# Allegro board LAY-31407_C2.brd (continued)
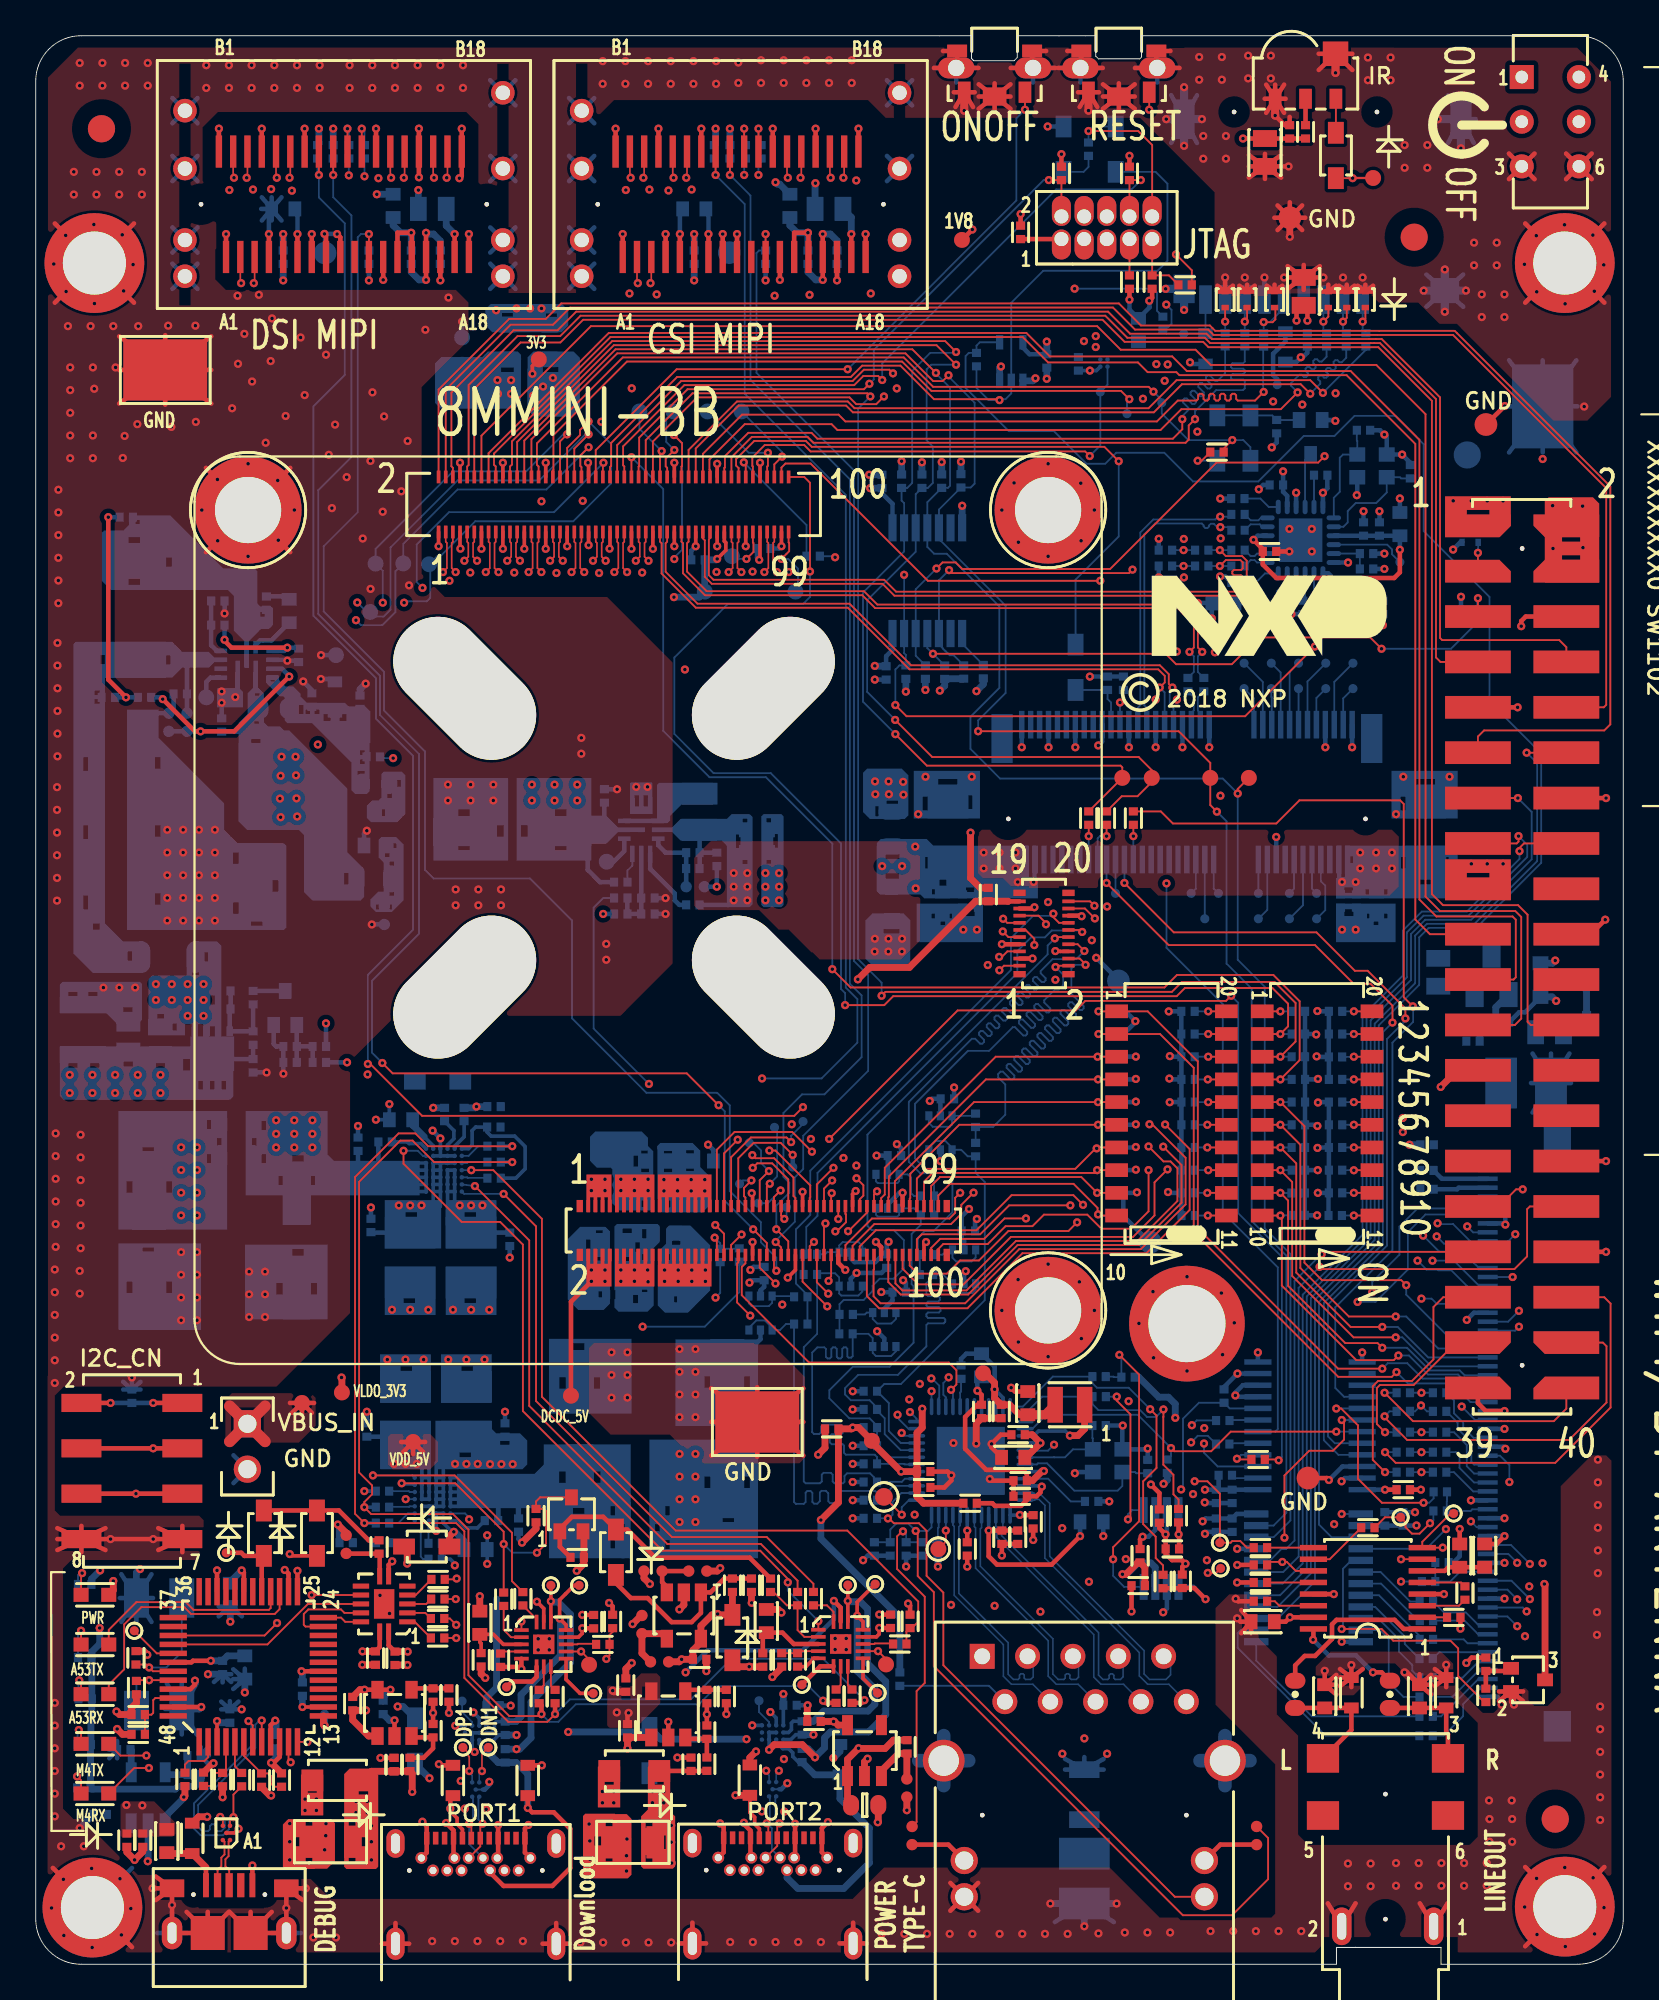
[diagram p0: board, top side]
## Placement (name value [footprint] x y rotation side) (continued)
NOREF  -  []  50.55 -2.68 0 top
NOREF#2  -  []  21.6 5.95 0 top
NOREF#3  -  []  39.74 42.44 0 top
NOREF#4  -  []  -141.97 -219.73 0 top
NOREF#5  -  []  9.15 12.45 90 top
NOREF#6  -  []  42.87 5.27 0 top
NOREF#7  -  []  51.55 106.15 90 top
NOREF#8  -  []  11.31 72.22 90 top
NOREF#9  -  []  64.31 93.78 90 top
NOREF#10  -  []  21.9 7.06 0 top
NOREF#11  -  []  64.44 8.35 90 top
NOREF#12  -  []  9.01 5.1 0 top
NOREF#13  -  []  51.27 104.5 90 top
NOREF#14  -  []  55.1 55.42 90 top
NOREF#15  -  []  50.85 11.4 0 top
NOREF#16  -  []  74.47 64.11 90 top
NOREF#17  -  [unnamed#2]  40.75 54.7 45 top
NOREF#18  -  []  29.88 42.1 0 top
NOREF#19  -  []  58.23 104.5 90 top
NOREF#20  -  []  38.87 5.27 0 top
NOREF#21  -  []  52 104.79 90 top
NOREF#22  -  []  15.49 11.24 0 top
NOREF#23  -  []  42.16 80.17 90 top
NOREF#24  -  []  65.51 93.18 0 top
NOREF#25  -  []  21.23 27.23 0 top
NOREF#26  -  []  9.26 98.52 0 top
NOREF#27  -  []  13.36 71.72 90 top
NOREF#28  -  []  23.22 26.84 90 top
NOREF#29  -  []  26.9 7.06 0 top
NOREF#30  -  []  31.47 98.52 0 top
NOREF#31  -  []  32.87 95.57 0 top
NOREF#32  -  []  81.31 33.97 90 top
NOREF#33  -  []  52 104.79 0 top
NOREF#34  -  []  24.44 10.18 0 top
NOREF#35  -  []  10.69 6.74 90 top
NOREF#36  -  []  58.57 3.35 90 top
NOREF#37  -  []  42.13 80.96 90 top
NOREF#38  -  []  64.31 93.78 0 top
NOREF#39  -  []  38.22 5.97 0 top
NOREF#40  -  []  55.1 59.5 0 top
NOREF#41  -  []  71.55 23.32 0 top
NOREF#42  -  []  32.86 61.95 0 top
NOREF#43  -  []  20.96 27.5 90 top
NOREF#44  -  []  32.38 62.81 0 top
NOREF#45  -  []  10.48 7.75 0 top
NOREF#46  -  []  36.77 1.17 0 top
NOREF#47  -  []  55.1 59.1 90 top
NOREF#48  -  []  23.79 12.3 90 top
NOREF#49  -  []  20.15 1.15 0 top
NOREF#50  -  []  58.55 107.1 0 top
NOREF#51  -  []  29.8 16.56 90 top
NOREF#52  -  []  64.66 93.13 90 top
NOREF#53  -  []  30.57 94.49 0 top
NOREF#54  -  []  64.44 8.35 90 top
NOREF#55  -  []  40.86 10.41 0 top
NOREF#56  -  []  58.08 17.24 0 top
NOREF#57  -  []  79.96 13.67 90 top
NOREF#58  -  []  85.21 13.32 90 top
NOREF#59  -  []  73.47 61.84 90 top
NOREF#60  -  []  15.49 9.34 90 top
NOREF#61  -  []  24.44 13.35 0 top
NOREF#62  -  []  24.26 95.57 90 top
NOREF#63  -  []  0 0.05 0 top
NOREF#64  -  []  8.89 33.6 0 top
NOREF#65  -  []  26.25 5.25 0 top
NOREF#66  -  []  27.2 17.11 0 top
NOREF#67  -  []  64.44 8.35 90 top
NOREF#68  -  []  26.16 94.49 90 top
NOREF#69  -  []  12.83 3.9 90 top
NOREF#70  -  []  7.7 19.4 0 top
NOREF#71  -  []  25.26 98.52 90 top
NOREF#72  -  []  34.41 62.15 90 top
NOREF#73  -  []  23.46 43.25 0 top
NOREF#74  -  []  14.82 82.25 0 top
NOREF#75  -  []  38.52 7.08 0 top
NOREF#76  -  []  8.36 94.49 0 top
NOREF#77  -  []  15.41 13.15 0 top
NOREF#78  -  []  32.12 9.87 90 top
NOREF#79  -  []  10.14 50.8 0 top
NOREF#80  -  []  47.47 98.52 90 top
NOREF#81  -  []  30.47 42.44 0 top
NOREF#82  -  []  24.23 10.39 0 top
NOREF#83  -  [unnamed#3]  77.19 96.67 0 top
NOREF#84  -  []  -360.08 -134.32 0 top
NOREF#85  -  []  58.5 106.15 0 top
NOREF#86  -  []  68.68 41.91 0 top
NOREF#87  -  []  14.16 12.45 0 top
NOREF#88  -  []  64.66 104.39 0 top
NOREF#89  -  []  19.55 -2.65 0 top
NOREF#90  -  []  81.31 14.97 90 top
NOREF#91  -  []  37.55 5.27 90 top
NOREF#92  -  []  54.47 64.11 0 top
NOREF#93  -  []  52 3.78 90 top
NOREF#94  -  []  51.27 104.5 0 top
NOREF#95  -  []  41.27 9.8 90 top
NOREF#96  -  []  65.51 93.18 0 top
NOREF#97  -  []  -97.89 118.8 0 top
NOREF#98  -  []  27.1 16.56 0 top
NOREF#99  -  []  51.55 106.15 90 top
NOREF#100  -  []  46.37 -2.63 90 top
NOREF#101  -  []  20.92 5.25 90 top
NOREF#102  -  []  57.49 60.56 90 top
NOREF#103  -  []  29.7 17.11 90 top
NOREF#104  -  []  60.22 89.23 0 top
NOREF#105  -  []  24.26 95.57 0 top
NOREF#106  -  []  -5.21 -40.53 0 top
NOREF#107  -  [unnamed#2]  24.02 71.42 45 top
NOREF#108  -  []  59.55 106.9 90 top
NOREF#109  -  []  72.35 18.49 0 top
NOREF#110  -  []  51.77 62.61 0 top
NOREF#111  -  []  22.56 80.17 0 top
NOREF#112  -  []  46.33 17.13 90 top
NOREF#113  -  []  51.02 39.7 90 top
NOREF#114  -  []  41.07 13.37 0 top
NOREF#115  -  []  68.68 52.07 90 top
NOREF#116  -  []  67.11 103.68 0 top
NOREF#117  -  []  40.42 13.62 0 top
NOREF#118  -  []  58.5 106.15 90 top
NOREF#119  -  []  64.97 61.84 0 top
NOREF#120  -  []  31.47 98.52 0 top
NOREF#121  -  []  20.96 80.14 0 top
NOREF#122  -  []  49.42 0.3 90 top
NOREF#123  -  []  22.42 13.15 90 top
NOREF#124  -  []  55.1 55.9 90 top
NOREF#125  -  []  24.64 9.78 90 top
NOREF#126  -  []  72.35 18.49 0 top
NOREF#127  -  []  73.47 61.84 90 top
NOREF#128  -  []  46.07 101.47 0 top
NOREF#129  -  []  53.47 61.31 0 top
NOREF#130  -  []  59.62 82.25 0 top
NOREF#131  -  []  55.47 61.84 0 top
NOREF#132  -  []  37.55 5.27 0 top
NOREF#133  -  []  32.96 63 0 top
NOREF#134  -  []  8.24 49.15 0 top
NOREF#135  -  []  20.92 5.25 0 top
NOREF#136  -  []  14.91 -1.07 90 top
NOREF#137  -  []  64.31 103.28 0 top
NOREF#138  -  []  41.07 10.2 0 top
NOREF#139  -  []  58.95 104.79 90 top
NOREF#140  -  []  7.63 4.25 0 top
NOREF#141  -  []  11.54 49.15 90 top
NOREF#142  -  []  51.6 107.1 0 top
NOREF#143  -  []  21.59 42.98 90 top
NOREF#144  -  []  32.8 0.28 90 top
NOREF#145  -  []  59.55 108.2 0 top
NOREF#146  -  []  54.12 68.61 0 top
NOREF#147  -  []  59.62 37.45 0 top
NOREF#148  -  []  58.23 104.5 0 top
NOREF#149  -  []  44.68 16.68 0 top
NOREF#150  -  []  62.51 73.23 0 top
NOREF#151  -  []  59.62 89.43 0 top
NOREF#152  -  []  60.53 41.91 0 top
NOREF#153  -  []  46.47 95.57 0 top
NOREF#154  -  []  52 104.79 90 top
NOREF#155  -  []  76.84 18.49 90 top
NOREF#156  -  []  46.33 17.13 90 top
NOREF#157  -  []  9.53 4.43 0 top
NOREF#158  -  []  33.41 62.15 0 top
NOREF#159  -  []  43.83 17.13 0 top
NOREF#160  -  []  36.77 1.17 90 top
NOREF#161  -  []  64.31 103.28 0 top
NOREF#162  -  []  59.62 89.43 90 top
NOREF#163  -  []  61.02 89.23 90 top
NOREF#164  -  []  9.26 98.52 0 top
NOREF#165  -  []  23.36 80.17 0 top
NOREF#166  -  []  75.47 61.31 90 top
NOREF#167  -  []  37.55 5.27 90 top
NOREF#168  -  []  58.95 104.79 0 top
NOREF#169  -  []  51.55 106.15 0 top
NOREF#170  -  []  83.53 54.69 90 top
NOREF#171  -  []  9.63 1.75 0 top
NOREF#172  -  []  43.76 80.14 90 top
NOREF#173  -  []  29.75 -2.65 90 top
NOREF#174  -  []  30.94 42.44 0 top
NOREF#175  -  []  7.63 1.75 0 top
NOREF#176  -  []  52 3.78 0 top
NOREF#177  -  []  10.68 7.35 90 top
NOREF#178  -  []  11.48 4.43 0 top
NOREF#179  -  []  58.08 17.24 0 top
NOREF#180  -  []  60.53 52.07 90 top
NOREF#181  -  []  55.22 69.39 0 top
NOREF#182  -  []  66.9 -2.68 90 top
NOREF#183  -  []  22.25 5.25 0 top
NOREF#184  -  []  41.17 102.92 0 top
NOREF#185  -  []  8.91 52.22 0 top
NOREF#186  -  []  23.79 13.6 0 top
NOREF#187  -  []  52.6 108.2 0 top
NOREF#188  -  []  48.37 96.52 90 top
NOREF#189  -  []  75.37 54.69 90 top
NOREF#190  -  []  25.26 98.52 90 top
NOREF#191  -  []  21.86 43.25 90 top
NOREF#192  -  []  10.26 73.82 0 top
NOREF#193  -  []  14.03 4.25 90 top
NOREF#194  -  []  40.42 12.32 90 top
NOREF#195  -  []  28.05 16.66 0 top
NOREF#196  -  []  71.55 18.77 90 top
NOREF#197  -  []  13.26 73.02 90 top
NOREF#198  -  []  39.75 27.38 0 top
NOREF#199  -  []  61.85 71.16 0 top
NOREF#200  -  []  71.55 22.67 90 top
NOREF#201  -  []  10.14 50.8 0 top
NOREF#202  -  []  74.47 64.11 90 top
NOREF#203  -  []  81.26 12.97 90 top
NOREF#204  -  []  10.66 95.57 0 top
NOREF#205  -  []  32.12 11.77 0 top
NOREF#206  -  []  53.01 8.35 0 top
NOREF#207  -  [unnamed#2]  40.75 71.42 315 top
NOREF#208  -  []  36.17 -2.63 0 top
NOREF#209  -  []  24.63 9.17 90 top
NOREF#210  -  [unnamed#3]  85.09 8.13 0 top
NOREF#211  -  []  20.92 5.25 90 top
NOREF#212  -  []  46.47 95.57 90 top
NOREF#213  -  []  85.21 13.32 90 top
NOREF#214  -  []  6.76 4.68 0 top
NOREF#215  -  []  -419.2 -314.78 0 top
NOREF#216  -  []  41.26 9.19 90 top
NOREF#217  -  []  32.87 95.57 0 top
NOREF#218  -  []  20.96 30.04 0 top
NOREF#219  -  []  23.86 101.47 0 top
NOREF#220  -  []  31.47 98.52 0 top
NOREF#221  -  [unnamed#3]  3.68 102.74 0 top
NOREF#222  -  []  -390.12 208.2 0 top
NOREF#223  -  []  52 3.78 90 top
NOREF#224  -  []  9.26 98.52 0 top
NOREF#225  -  []  47.47 98.52 90 top
NOREF#226  -  []  61.25 54.69 0 top
NOREF#227  -  []  64.66 93.13 0 top
NOREF#228  -  []  8.28 9.45 0 top
NOREF#229  -  []  65.51 93.18 90 top
NOREF#230  -  []  58.95 104.79 90 top
NOREF#231  -  []  48.37 94.49 90 top
NOREF#232  -  []  52.6 106.9 90 top
NOREF#233  -  []  14.03 1.75 90 top
NOREF#234  -  []  43.73 16.58 0 top
NOREF#235  -  []  26.16 96.52 90 top
NOREF#236  -  []  46.43 16.58 90 top
NOREF#237  -  []  20.15 1.15 90 top
NOREF#238  -  []  10.36 73.52 0 top
NOREF#239  -  []  81.26 12.97 90 top
NOREF#240  -  []  34.96 61.95 90 top
NOREF#241  -  []  21.59 42.98 0 top
NOREF#242  -  []  10.66 95.57 0 top
NOREF#243  -  []  86.16 12.97 90 top
NOREF#244  -  [unnamed#2]  24.02 54.7 315 top
NOREF#245  -  []  29.7 17.11 90 top
NOREF#246  -  []  10.27 7.96 0 top
NOREF#247  -  []  7.7 13.9 90 top
NOREF#248  -  []  29.88 40.05 90 top
NOREF#249  -  []  43.52 7.08 0 top
NOREF#250  -  []  58.5 106.15 90 top
NOREF#251  -  []  69.41 54.69 0 top
NOREF#252  -  []  40.94 27.38 180 bottom
NOREF#253  -  [unnamed#3]  85.09 8.13 180 bottom
NOREF#254  -  []  8.21 22.87 180 bottom
NOREF#255  -  []  55.81 93.46 180 bottom
NOREF#256  -  []  81.97 57.58 90 bottom
NOREF#257  -  []  16.36 85.09 180 bottom
NOREF#258  -  []  43.31 15.88 180 bottom
NOREF#259  -  []  44.87 79.89 180 bottom
NOREF#260  -  [unnamed#3]  80.16 84.48 180 bottom
NOREF#261  -  [unnamed#3]  3.68 102.74 180 bottom
Q101  AON7405  [DFN3P3X3P3_8L_EX]  9.89 50.8 270 bottom
Q102  NX3008NBKW,115  [SC70_3]  13.97 53.53 180 bottom
Q301  NX3008NBKW,115  [SC70_3]  30 25.18 0 top
Q604  NX3008NBKW,115  [SC70_3]  71.39 85.49 0 bottom
Q903  NX3008NBKW,115  [SC70_3]  19.03 63.58 180 bottom
Q1001  SI2343DS  [SOT-23]  81.52 55.38 180 bottom
Q1002  2N7002  [SOT23_A]  85.27 55.09 90 bottom
Q1003  NX3008NBKW,115  [SC70_3]  83.57 15.92 270 top
R101  1.4M  [RC0603_OV]  13.35 70.29 0 bottom
R102  3.3  [0603_CC]  14.19 75.75 90 bottom
R103  0  [RC1206_OV]  7.43 56.38 0 bottom
R105  43K  [RC0402_25]  8.47 69.52 270 bottom
R107  100K  [0402_CC]  10.2 74.96 180 bottom
R108  100K  [0402_CC]  10.2 76.31 0 bottom
R109  5.6K  [RC0402_25]  7.45 69.52 90 bottom
R110  187K  [0402_CC]  36.8 62.22 180 bottom
R111  41.2K  [RC0402_25]  36.93 60.32 0 bottom
R112  100K  [0402_CC]  32.76 60.57 0 bottom
R113  10K  [0402_CC]  32.76 58.79 0 bottom
R114  1K  [0402_CC]  32.76 59.68 0 bottom
R115  100K  [0402_CC]  34.28 58.79 0 bottom
R120  0  [0805_CC]  6.98 51.69 270 bottom
R125  22K  [0402_CC]  10.54 54.48 0 bottom
R129  4.7K  [0402_CC]  12.17 54.11 90 bottom
R131  1K  [0402_CC]  15.88 51.37 180 bottom
R133  100K  [0402_CC]  14.24 50.48 180 bottom
R134  22K  [0402_CC]  15.88 50.48 180 bottom
R135  499K  [0402_CC]  5.07 81 180 bottom
R136  499  [0402_CC]  6.09 70.92 0 bottom
R137  1.5M  [RC0805_OV]  18.94 60.76 0 bottom
R138  1.2M  [RC0603_OV]  19.04 66.08 0 bottom
R139  118K  [RC0402_25]  19.52 58.71 270 bottom
R140  0  [0402_CC]  18.9 67.59 180 bottom
R201  10K  [0402_CC]  48.49 83.01 270 bottom
R202  10K  [0402_CC]  48.73 72.33 90 bottom
R203  10K  [0402_CC]  50.73 83.02 270 bottom
R204  10K  [0402_CC]  50.9 72.32 90 bottom
R205  10K  [0402_CC]  49.62 83.01 270 bottom
R206  10K  [0402_CC]  49.82 72.33 90 bottom
R207  10K  [0402_CC]  51.81 83.04 270 bottom
R208  10K  [0402_CC]  51.96 72.33 90 bottom
R209  10K  [0402_CC]  66.61 27.37 0 bottom
R210  0  [0402_CC]  52.68 89.82 90 bottom
R211  0  [0402_CC]  68.45 28.26 180 top
R212  0  [0402_CC]  66.47 29.12 0 bottom
R213  0  [0402_CC]  66.47 30.43 0 bottom
R214  10K  [0402_CC]  53.06 72.35 90 bottom
R215  100K  [0402_CC]  66.54 31.81 90 bottom
R216  0  [0402_CC]  43.54 78.82 180 bottom
R217  0  [0402_CC]  38.33 39.67 270 bottom
R218  0  [0402_CC]  63.12 91.85 90 bottom
R219  0  [0402_CC]  39.4 39.7 90 bottom
R301  47K  [0402_CC]  20.07 11.18 90 top
R302  0  [0402_CC]  29.08 14.99 90 top
R303  0  [0402_CC]  28.19 14.99 90 top
R304  1.2M  [0402_CC]  23.14 15.07 90 top
R305  0  [0402_CC]  19.42 24.7 0 bottom
R306  1M  [0402_CC]  20.96 11.18 90 top
R307  1K  [0402_CC]  17.75 14.59 270 top
R308  0  [0402_CC]  19.42 25.58 0 bottom
R309  0  [0402_CC]  45.71 15.01 90 top
R310  0  [0402_CC]  44.82 15.01 90 top
R311  0  [0402_CC]  25.67 45.79 180 bottom
R312  0  [0402_CC]  25.67 44.9 180 bottom
R313  249K  [0402_CC]  22.25 13.07 90 top
R314  249K  [0402_CC]  22.25 15.07 270 top
R315  0  [RC0805_OV]  33.84 25.39 0 bottom
R316  0  [RC0805_OV]  33.84 23.49 0 bottom
R318  1.2M  [0402_CC]  38.67 14.99 90 top
R319  1M  [0402_CC]  37.58 11.2 90 top
R320  1K  [0402_CC]  33.14 13.07 270 top
R321  249K  [0402_CC]  37.58 12.99 90 top
R322  249K  [0402_CC]  37.58 14.99 270 top
R323  0  [RC0805_OV]  11.24 47 180 bottom
R325  0  [RC0805_OV]  11.24 45.09 180 bottom
R327  10K  [0402_CC]  42.66 17.04 90 top
R328  100K  [0402_CC]  22.37 22.67 180 bottom
R329  100K  [0402_CC]  19.42 26.48 0 bottom
R330  100K  [0402_CC]  23.99 47.56 270 bottom
R331  100K  [0402_CC]  25.67 44 180 bottom
R332  0  [0402_CC]  27.28 20.46 90 top
R333  1M  [0402_CC]  28.02 25.11 270 top
R334  0  [0402_CC]  43.55 20.47 90 top
R335  0  [0402_CC]  42.66 20.47 90 top
R336  0  [0402_CC]  26.29 13.21 90 bottom
R337  0  [0402_CC]  26.29 11.67 90 bottom
R338  0  [0402_CC]  42.92 13.23 90 bottom
R339  0  [0402_CC]  42.92 11.69 90 bottom
R340  0  [0402_CC]  31.76 17.91 0 top
R341  0  [0402_CC]  48.38 17.93 0 top
R342  10K  [0402_CC]  26.21 20.43 90 top
R343  1K  [0402_CC]  39.01 21.22 90 top
R344  10K  [0402_CC]  48.96 19.19 270 top
R345  10K  [0402_CC]  32.31 19.19 270 top
R346  10K  [0402_CC]  30.32 22.77 0 top
R349  0  [0402_CC]  24.94 17.04 90 top
R350  0  [0402_CC]  40.72 17.03 90 top
R353  0  [0402_CC]  19.43 23.6 0 bottom
R354  0  [0402_CC]  25.65 46.86 180 bottom
R355  100K  [0402_CC]  48.79 12.17 270 top
R356  174K  [RC0402_25]  34.57 22.01 0 top
R357  24.9K  [RC0402_25]  37.07 22.01 0 top
R358  120K  [RC0402_25]  34.93 16.93 180 top
R359  24.9K  [RC0402_25]  33.95 19.01 90 top
R360  1K  [0402_CC]  41.15 21.21 90 top
R361  47K  [RC0402_25]  48.78 9.86 90 top
R401  0  [0402_CC]  74.6 24.44 180 top
R402  0  [0402_CC]  68.58 23.32 0 top
R403  510  [RC0603_OV]  75.84 15.11 270 top
R404  510  [RC0603_OV]  70.53 15.11 270 top
R405  10K  [0402_CC]  68.58 22.35 180 top
R406  10K  [0402_CC]  68.58 21.37 180 top
R501  0  [0402_CC]  52.32 25.81 0 top
R502  0  [0402_CC]  44.57 29.97 180 top
R503  0  [0402_CC]  48.39 15.96 270 bottom
R506  10K  [0402_CC]  63.36 27.88 90 bottom
R508  1.5K  [0402_CC]  61.17 32.87 180 bottom
R509  10K  [0402_CC]  51.82 33.15 270 bottom
R510  270  [RC0402_25]  49.07 7.2 270 top
R511  0  [0402_CC]  59.55 31.77 180 bottom
R512  0  [0402_CC]  59.55 32.89 180 bottom
R513  270  [RC0402_25]  68.37 7.2 270 top
R514  1M  [1206_CC]  58.72 9.5 270 bottom
R515  2.37K  [0402_CC]  59.13 25.91 0 bottom
R516  10K  [0402_CC]  46.74 30.04 180 bottom
R517  10K  [0402_CC]  46.74 29.03 180 bottom
R518  10K  [0402_CC]  46.74 28.01 180 bottom
R519  10K  [0402_CC]  50.52 23.25 270 bottom
R520  10K  [0402_CC]  48.74 23.25 270 bottom
R521  10K  [0402_CC]  46.74 31.06 180 bottom
R522  10K  [0402_CC]  46.74 26.99 180 bottom
R523  10K  [0402_CC]  46.74 32.07 180 bottom
R524  10K  [0402_CC]  46.74 25.98 180 bottom
R525  10K  [0402_CC]  46.96 23.25 270 bottom
R526  10K  [0402_CC]  61.84 22.87 270 top
R527  1.5K  [0402_CC]  63.65 23.25 0 top
R528  1.5K  [0402_CC]  64.21 21.43 270 top
R530  0  [0402_CC]  52.63 45.6 270 bottom
R531  0  [0402_CC]  49.94 41.94 180 bottom
R532  0  [0402_CC]  45.37 35.29 0 bottom
R533  0  [0402_CC]  43.38 38.61 0 bottom
R534  0  [0402_CC]  42.84 35.84 180 bottom
R535  0  [0402_CC]  49.88 38.6 0 bottom
R536  0  [0402_CC]  53.34 59.88 270 top
R537  0  [0402_CC]  64 25.11 90 top
R538  0  [0402_CC]  63.13 21.42 90 top
R539  0  [0402_CC]  49.93 43 180 bottom
R540  0  [0402_CC]  45.38 36.38 0 bottom
R541  0  [0402_CC]  43.38 39.74 0 bottom
R542  0  [0402_CC]  52.63 47.24 90 bottom
R543  0  [0402_CC]  42.84 37.36 180 bottom
R544  0  [0402_CC]  49.89 39.72 0 bottom
R601  0  [RC0805_OV]  47.96 63.54 270 bottom
R602  0  [RC0805_OV]  47.93 59.35 90 bottom
R603  0  [0402_CC]  75.44 75.95 90 bottom
R604  0  [0402_CC]  74.55 75.95 90 bottom
R610  0  [0402_CC]  67.33 78.27 180 bottom
R611  0  [0402_CC]  67.33 79.16 180 bottom
R612  0  [0402_CC]  71.83 75.95 90 bottom
R613  0  [0402_CC]  70.95 75.95 90 bottom
R614  0  [0402_CC]  65.29 78.27 180 bottom
R615  0  [0402_CC]  65.29 79.16 180 bottom
R616  0  [0402_CC]  67.33 80.27 180 bottom
R617  0  [0402_CC]  67.33 81.16 180 bottom
R618  0  [0402_CC]  67.33 77.34 0 bottom
R619  0  [0402_CC]  67.32 82.04 0 bottom
R620  0  [0402_CC]  71.96 83.35 180 bottom
R621  49.9  [0402_CC]  63.26 78.27 180 bottom
R622  49.9  [0402_CC]  63.26 79.16 180 bottom
R623  10K  [0402_CC]  69.49 86.07 90 bottom
R624  0  [0402_CC]  74.52 78.96 180 bottom
R625  0  [0402_CC]  74.52 78.1 180 bottom
R626  10K  [0402_CC]  60.91 71.7 270 bottom
R627  10K  [0402_CC]  60.02 71.7 270 bottom
R629  0  [0402_CC]  61.47 64.16 90 top
R630  0  [0402_CC]  59.97 64.16 90 top
R631  0  [0402_CC]  58.97 64.16 90 top
R632  0  [0402_CC]  66.15 84.64 0 top
R702  0  [0402_CC]  72.29 90.93 90 bottom
R704  0  [0402_CC]  68.76 90.92 90 bottom
R705  0  [0402_CC]  67.71 90.93 90 bottom
R707  0  [0402_CC]  66.61 90.93 90 bottom
R708  0  [0402_CC]  74.49 90.93 90 bottom
R709  0  [0402_CC]  73.39 90.93 90 bottom
R713  1K  [0402_CC]  2.74 21.26 180 bottom
R714  47  [0402_CC]  71.11 102.57 90 top
R801  10K  [0402_CC]  16.66 101.45 270 bottom
R802  10K  [0402_CC]  40.87 95.55 90 bottom
R803  10K  [0402_CC]  38 101.45 270 bottom
R804  10K  [0402_CC]  15.78 101.45 270 bottom
R805  10K  [0402_CC]  18.66 95.55 90 bottom
R806  10K  [0402_CC]  38.87 101.45 270 bottom
R807  0  [0402_CC]  39.75 101.45 270 bottom
R808  0  [0402_CC]  17.53 101.45 270 bottom
R809  0  [0402_CC]  40.62 101.45 270 bottom
R810  0  [0402_CC]  18.41 101.45 270 bottom
R811  0  [RC0805_OV]  28.78 90.8 90 bottom
R812  0  [RC0805_OV]  26.42 90.8 90 bottom
R902  1K  [0402_CC]  2.72 12.29 0 bottom
R903  1K  [0402_CC]  2.69 9.88 0 bottom
R904  470  [0402_CC]  5.74 12.87 0 top
R908  0  [0402_CC]  22.5 18.26 0 top
R909  0  [0402_CC]  22.5 19.35 0 top
R910  0  [0402_CC]  22.52 20.44 0 top
R911  0  [0402_CC]  22.53 21.55 0 top
R915  1K  [0402_CC]  2.77 14.86 0 bottom
R916  1K  [0402_CC]  2.74 17.17 0 bottom
R917  10K  [0402_CC]  57.44 100.24 270 top
R918  10K  [0402_CC]  61.25 100.24 270 top
R919  10K  [0402_CC]  58.95 101.6 90 bottom
R920  100  [0402_CC]  55.15 96.94 270 top
R921  0  [0402_CC]  61.25 94.16 270 top
R922  0  [0402_CC]  62.52 94.16 270 top
R923  0  [0402_CC]  64.36 94.01 0 top
R924  4.7K  [0402_CC]  10.46 10.34 90 top
R925  1.5K  [0402_CC]  11.53 10.33 90 top
R926  10K  [0402_CC]  8.36 10.35 90 top
R927  0  [0402_CC]  13.77 10.31 90 top
R928  0  [0402_CC]  8.88 10.62 0 bottom
R929  100K  [0402_CC]  19.23 23.36 270 top
R930  120K  [RC0402_25]  17.39 23.51 270 top
R1001  0  [0805_CC]  84.77 52.17 180 bottom
R1003  0  [0402_CC]  78 21.42 180 bottom
R1004  0  [0402_CC]  78.75 22.49 0 bottom
R1005  0  [0402_CC]  78.64 25.38 180 bottom
R1006  0  [0402_CC]  78.65 26.44 180 bottom
R1009  0  [0402_CC]  78.61 31.99 180 bottom
R1010  0  [0402_CC]  78.61 30.95 180 bottom
R1011  0  [0402_CC]  78.61 29.78 180 bottom
R1012  0  [0402_CC]  78.61 28.66 180 bottom
R1013  0  [0402_CC]  78.61 27.55 180 bottom
R1014  0  [0402_CC]  76.58 28.66 0 bottom
R1015  0  [0402_CC]  76.58 30.95 0 bottom
R1016  0  [0402_CC]  76.58 31.99 0 bottom
R1017  0  [0402_CC]  76.58 27.55 180 bottom
R1018  0  [0402_CC]  76.58 29.78 180 bottom
R1019  0  [0402_CC]  77.88 20.3 180 bottom
R1020  0  [0402_CC]  77.88 19.23 180 bottom
R1021  0  [0402_CC]  77.87 18.19 180 bottom
R1022  0  [0402_CC]  77.86 17.11 180 bottom
R1023  0  [0402_CC]  77.85 16.04 180 bottom
R1024  0  [0402_CC]  77.86 14.97 180 bottom
R1025  0  [0402_CC]  77.86 13.88 180 bottom
R1026  0  [0402_CC]  77.86 12.79 180 bottom
R1027  0  [0402_CC]  77.91 43.38 180 bottom
R1028  0  [0402_CC]  77.9 44.43 180 bottom
R1029  22K  [0402_CC]  80.48 51.66 0 bottom
R1030  47  [0402_CC]  86.84 52.76 90 bottom
R1031  10K  [0402_CC]  82.13 52.73 0 bottom
R1032  1K  [0402_CC]  81.2 15.05 90 top
R1033  10K  [0402_CC]  81.2 16.79 90 top
R1034  0  [0805_CC]  78.54 55.52 90 bottom
R1101  4.7K  [0402_CC]  72.78 50.79 180 bottom
R1102  100K  [0402_CC]  70.69 43.17 0 bottom
R1103  4.7K  [0402_CC]  72.79 53.34 180 bottom
R1104  100K  [0402_CC]  70.7 53.34 0 bottom
R1105  4.7K  [0402_CC]  72.79 52.07 180 bottom
R1106  100K  [0402_CC]  70.7 52.07 0 bottom
R1107  4.7K  [0402_CC]  72.79 49.53 180 bottom
R1108  100K  [0402_CC]  70.7 50.8 0 bottom
R1109  4.7K  [0402_CC]  72.79 48.26 180 bottom
R1110  100K  [0402_CC]  70.7 49.53 0 bottom
R1111  4.7K  [0402_CC]  72.79 46.99 180 bottom
R1112  100K  [0402_CC]  70.7 48.26 0 bottom
R1113  4.7K  [0402_CC]  72.79 45.72 180 bottom
R1114  100K  [0402_CC]  70.7 46.99 0 bottom
R1115  4.7K  [0402_CC]  72.79 44.45 180 bottom
R1116  100K  [0402_CC]  70.7 45.72 0 bottom
R1117  4.7K  [0402_CC]  72.79 43.18 180 bottom
R1118  100K  [0402_CC]  70.7 44.45 0 bottom
R1119  4.7K  [0402_CC]  64.53 53.34 180 bottom
R1120  100K  [0402_CC]  60.54 53.34 0 bottom
R1121  4.7K  [0402_CC]  64.53 52.07 180 bottom
R1122  100K  [0402_CC]  60.54 52.07 0 bottom
R1123  4.7K  [0402_CC]  64.53 50.8 180 bottom
R1124  100K  [0402_CC]  60.54 50.8 0 bottom
R1125  4.7K  [0402_CC]  64.53 49.53 180 bottom
R1126  100K  [0402_CC]  60.54 49.53 0 bottom
R1127  4.7K  [0402_CC]  64.53 48.26 180 bottom
R1128  100K  [0402_CC]  60.54 48.26 0 bottom
R1129  4.7K  [0402_CC]  64.53 46.99 180 bottom
R1130  100K  [0402_CC]  60.54 46.99 0 bottom
R1131  4.7K  [0402_CC]  64.53 45.72 180 bottom
R1132  100K  [0402_CC]  60.54 45.72 0 bottom
R1133  4.7K  [0402_CC]  64.53 44.45 180 bottom
R1134  100K  [0402_CC]  60.54 44.45 0 bottom
R1135  4.7K  [0402_CC]  72.77 41.91 180 bottom
R1136  100K  [0402_CC]  70.69 41.92 0 bottom
R1137  4.7K  [0402_CC]  64.55 43.18 180 bottom
R1138  4.7K  [0402_CC]  64.53 41.91 180 bottom
R1139  100K  [0402_CC]  60.55 43.18 0 bottom
R1140  100K  [0402_CC]  60.53 41.88 0 bottom
SW101  M096H-A020RT21A  [SW6_DPDT_M096H_TH]  83.21 105.64 0 top
SW901  TACT SWTICH  [SW2_3P4_TACT_SM_NSP]  53.7 106.15 180 top
SW902  TACT SWTICH  [SW2_3P4_TACT_SM_NSP]  60.65 106.15 180 top
SW1101  97C10ST  [SW_DIP10_SM]  71.76 47.62 270 top
SW1102  97C10ST  [SW_DIP10_SM]  63.6 47.62 270 top
TP40  -  [TPAD_020]  76.43 25.02 0 top
TP41  -  [TPAD_020]  66.31 23.6 0 top
TP42  -  [TPAD_020]  79.4 25.23 0 top
TP43  -  [TPAD_020]  66.35 22.16 0 top
TP101  TP_35MIL  [TESTPOINT_35MIL]  29.97 31.83 90 top
TP102  TP_35MIL  [TESTPOINT_35MIL]  21.13 29.24 180 top
TP103  TP_35MIL  [TESTPOINT_35MIL]  31.97 61.71 90 bottom
TP104  TP_35MIL  [TESTPOINT_35MIL]  28.17 89.83 0 top
TP105  TP_35MIL  [TESTPOINT_35MIL]  9.55 70.92 0 bottom
TP205  TP_35MIL  [TESTPOINT_35MIL]  33.81 86.92 90 bottom
TP206  TP_35MIL  [TESTPOINT_35MIL]  35.71 86.92 90 bottom
TP207  TP_35MIL  [TESTPOINT_35MIL]  37.62 86.92 90 bottom
TP208  TP_35MIL  [TESTPOINT_35MIL]  39.52 86.92 90 bottom
TP210  TP_35MIL  [TESTPOINT_35MIL]  60.85 66.41 0 top
TP211  TP_35MIL  [TESTPOINT_35MIL]  62.5 66.41 0 top
TP212  TP_35MIL  [TESTPOINT_35MIL]  67.93 66.41 0 top
TP213  TP_35MIL  [TESTPOINT_35MIL]  65.77 66.41 0 top
TP214  -  [TPAD_020]  42.97 47.17 180 bottom
TP215  -  [TPAD_020]  42.39 44.62 180 bottom
TP216  -  [TPAD_020]  39.41 43.68 180 bottom
TP217  -  [TPAD_020]  39.96 45.98 180 bottom
TP218  -  [TPAD_020]  41.37 46.84 180 bottom
TP219  -  [TPAD_020]  40.46 42.6 180 bottom
TP220  -  [TPAD_020]  42.04 42.38 180 bottom
TP221  -  [TPAD_020]  63.06 87.4 180 bottom
TP222  -  [TPAD_020]  61.11 86.79 180 bottom
TP301  TP_35MIL  [TESTPOINT_35MIL]  38.99 78.82 180 bottom
TP302  TP_35MIL  [TESTPOINT_35MIL]  42.54 76.83 180 bottom
TP303  -  [TPAD_020]  30.43 21.21 0 top
TP304  -  [TPAD_020]  28.85 21.21 0 top
TP305  TP_35MIL  [TESTPOINT_35MIL]  30.99 16.76 0 top
TP306  -  [TPAD_020]  47.01 21.28 0 top
TP307  -  [TPAD_020]  45.48 21.23 0 top
TP308  TP_35MIL  [TESTPOINT_35MIL]  47.62 16.78 0 top
TP309  -  [TPAD_020]  23.88 14.73 90 bottom
TP310  -  [TPAD_020]  40.5 14.75 90 bottom
TP311  -  [TPAD_020]  31.22 15.16 0 top
TP312  -  [TPAD_020]  26.37 15.52 0 top
TP313  -  [TPAD_020]  47.14 15.19 0 top
TP314  -  [TPAD_020]  42.9 15.65 0 top
TP315  TP_35MIL  [TESTPOINT_35MIL]  17.15 32.01 0 top
TP501  TEST POINT  [C035S]  50.55 23.24 0 top
TP502  1 mm  [TESTPOINT_39MIL]  47.5 26.16 0 top
TP503  TP_35MIL  [TESTPOINT_35MIL]  46.82 29.3 0 top
TP504  TP_35MIL  [TESTPOINT_35MIL]  53.05 33.08 0 top
TP601  -  [TPAD_020]  73.76 71.4 0 bottom
TP602  -  [TPAD_020]  76.39 78.49 180 bottom
TP603  -  [TPAD_020]  73.76 72.83 0 bottom
TP604  -  [TPAD_020]  71.73 58.52 180 bottom
TP605  -  [TPAD_020]  72.24 71.4 0 bottom
TP606  -  [TPAD_020]  71.73 59.94 180 bottom
TP607  -  [TPAD_020]  72.24 72.83 0 bottom
TP608  -  [TPAD_020]  70.2 58.52 180 bottom
TP609  -  [TPAD_020]  70.72 71.4 0 bottom
TP610  -  [TPAD_020]  70.2 59.94 180 bottom
TP611  -  [TPAD_020]  70.72 72.83 0 bottom
TP612  -  [TPAD_020]  69.19 72.83 0 bottom
TP613  -  [TPAD_020]  69.19 71.4 0 bottom
TP614  -  [TPAD_020]  68.47 58.52 180 bottom
TP615  -  [TPAD_020]  67.67 72.83 0 bottom
TP616  -  [TPAD_020]  68.47 59.94 180 bottom
TP617  -  [TPAD_020]  67.67 71.4 0 bottom
TP618  -  [TPAD_020]  66.23 59.94 180 bottom
TP619  -  [TPAD_020]  65.47 58.52 180 bottom
TP620  -  [TPAD_020]  64.7 59.94 180 bottom
TP621  -  [TPAD_020]  60.47 59.94 180 bottom
TP701  -  [TPAD_020]  64.29 91.27 0 bottom
TP702  TP_35MIL  [TESTPOINT_35MIL]  74.89 99.99 0 top
TP703  -  [TPAD_020]  59.61 88.01 180 bottom
TP704  -  [TPAD_020]  69.52 88.42 180 bottom
TP801  -  [TPAD_050]  16.21 95.78 180 bottom
TP802  -  [TPAD_050]  38.84 95.81 180 bottom
TP901  TP_35MIL  [TESTPOINT_35MIL]  51.87 96.52 90 top
TP902  TP_35MIL  [TESTPOINT_35MIL]  20.58 78.41 90 bottom
TP903  TP_35MIL  [TESTPOINT_35MIL]  18.73 75.69 90 bottom
TP904  TP_35MIL  [TESTPOINT_35MIL]  23.88 91.06 180 bottom
TP905  TP_35MIL  [TESTPOINT_35MIL]  22.03 78.37 270 bottom
TP906  TP_35MIL  [TESTPOINT_35MIL]  19.03 78.4 180 bottom
TP907  -  [TPAD_020]  23.92 12.13 180 top
TP908  -  [TPAD_020]  25.34 12.13 180 top
TP909  TP_35MIL  [TESTPOINT_35MIL]  37.46 76.83 180 bottom
TP910  TP_35MIL  [TESTPOINT_35MIL]  14.91 31.42 180 top
TP911  TP_35MIL  [TESTPOINT_35MIL]  16.81 73.28 180 bottom
TP912  TP_35MIL  [TESTPOINT_35MIL]  23.88 89.53 90 bottom
TP913  -  [TPAD_020]  16.18 14 180 bottom
TP914  -  [TPAD_020]  10.67 23.03 270 top
TP915  -  [TPAD_020]  5.52 18.67 0 top
TP1201  TESTLOOP  [TEST_PIN_TP107]  7.25 89.24 0 top
TP1202  TESTLOOP  [TEST_PIN_TP107]  40.4 30.36 0 top
TP1203  TESTLOOP  [TEST_PIN_TP107]  84.39 87.2 270 bottom
TP1204  -  [TPAD_050]  60.63 55.04 180 bottom
TP1205  -  [TPAD_050]  81.21 86.19 0 top
TP1206  -  [TPAD_050]  31.84 45.84 180 bottom
TP1207  -  [TPAD_050]  71.25 27.22 0 top
TP1208  -  [TPAD_050]  70.23 97.76 0 top
TP1209  -  [TPAD_050]  62.41 40.42 180 bottom
TVS303  ESD5B5.0ST1G  [DIODE2_SOD523]  27.55 10.29 270 top
TVS304  ESD5B5.0ST1G  [DIODE2_SOD523]  23.36 10.29 270 top
TVS307  ESD5B5.0ST1G  [DIODE2_SOD523]  45.03 11.46 270 bottom
TVS308  ESD5B5.0ST1G  [DIODE2_SOD523]  39.99 10.31 270 top
TVS401  ESD5B5.0ST1G  [DIODE2_SOD523]  78.98 15.2 270 top
TVS402  ESD5B5.0ST1G  [DIODE2_SOD523]  73.67 15.2 270 top
TVS701  ESD5B5.0ST1G  [DIODE2_SOD523]  65.51 90.42 90 bottom
TVS702  ESD5B5.0ST1G  [DIODE2_SOD523]  69.98 90.53 90 bottom
TVS901  ESD5B5.0ST1G  [DIODE2_SOD523]  8.76 7.05 270 top
U101  MP8759GD  [QFN12_0P5_3P1X2P1]  11.81 72.77 0 bottom
U102  MP2147GD  [QFN12_0P5_2X3MM_EP]  33.91 63.5 180 bottom
U201  PCA6416APW  [TSSOP24_0P65_7P9X4P5]  71.27 21.63 180 bottom
U202  74AVC8T245PW  [TSSOP24_65MM]  71.36 30.14 0 bottom
U203  NTS0104PW  [TSSOP14]  49.93 77.45 270 bottom
U204  74AUP1G125GW  [SC70-5]  54.63 89.71 180 bottom
U301  SGM8709YN5G  [SOT-23-5]  20.09 14.07 0 top
U302  NX20P3483UK  [WLCSP42_0P4_2P94X2P54_SMDP]  22.23 26.04 0 bottom
U303  PTN5110  [HX2QFN16_0P4_2P7X2P7]  28.45 17.91 0 top
U304  SGM8709YN5G  [SOT-23-5]  35.42 13.99 0 top
U305  NX20P3483UK  [WLCSP42_0P4_2P94X2P54_SMDP]  22.86 44.45 180 bottom
U306  PTN5110  [HX2QFN16_0P4_2P7X2P7]  45.08 17.93 0 top
U307  PCMF1USB3S  [WLCSP5_0P4_0P82X1P22]  24.64 9.78 0 bottom
U308  NX20P0407  [WLCSP12_0P4_1P3X1P7MM_SMDP]  24.64 12.95 90 bottom
U309  PCMF1USB3S  [WLCSP5_0P4_0P82X1P22]  41.27 9.8 0 bottom
U310  NX20P0407  [WLCSP12_0P4_1P3X1P7MM_SMDP]  41.27 12.97 90 bottom
U311  SGM8709YN5G  [SOT-23-5]  36.3 19.52 180 top
U312  TPS70933DBVR  [SOT23-5]  46.46 11.94 0 top
U401  WM8524CGEDT  [TSSOP16]  74.6 21.05 180 top
U501  AR8031  [QFN48_0P4_6X6MM_EPAD]  52.36 28.18 180 bottom
U502  NC7WV16  [SC70_6LEAD]  47.7 43.27 90 bottom
U503  NC7WV16  [SC70_6LEAD]  45.64 38.91 90 bottom
U504  NC7WV16  [SC70_6LEAD]  47.52 35.53 90 bottom
U505  NC7WV16  [SC70_6LEAD]  40.58 36.45 90 bottom
U506  NC7WV16  [SC70_6LEAD]  50.66 46.54 90 bottom
U507  NC7WV16  [SC70_6LEAD]  51.99 39.04 90 bottom
U508  NTS0102  [TSSOP8_A]  63.02 23.27 90 bottom
U601  9FGV0241AKLF  [QFN24_0P5_4X4_EP2P2]  70.83 79.71 180 bottom
U701  IRM-V538M3/TR1  [RCVR_SM_IRM_V5]  71.11 106.02 0 top
U702  ADP191ACBZ-R7  [WLCSP4_0P4_0P8X0P8_SMDP]  59.82 89.63 180 bottom
U901  FT2232D  [LQFP48]  11.9 16.65 90 top
U902  PCMF1USB3S  [WLCSP5_0P4_0P82X1P22]  10.68 7.35 180 top
U903  RT9193  [SOT23-5]  6.25 9.29 180 bottom
U904  NTB0104BQ  [DHVQFN14_3X2P5MM]  19.51 20.17 90 top
X901  6MHz  [XTAL_4_7P2X5P2]  6.91 17.35 270 bottom
Y501  25MHz  [XTLOSC4_2P5X2MM_SM]  60.02 28.19 0 bottom
Y601  25MHz  [XTLOSC4_2P5X2MM_SM]  74.83 83.87 0 bottom

## Library data of the parts
BH1201-BH1204 = SPACER
BH1206-BH1209 = MOUNT_HOLE
C101 C103 C309 C326 = CAP_POL: signal model: DEFAULT_CAPACITOR_2.2e+07pF_2_1
C102 C138 C503 C504 C507 C509-C513 C520-C527 = CAP_NP: signal model: DEFAULT_CAPACITOR_220000pF_2_1
C105 C106 C113 C116 C117 C121 C145 C209 C211 C213 C215 C216 C219-C221 C302 C308 C313 C320 C322 C325 C329 C336-C338 C615 C616 C620-C622 C704 C706 C802-C807 C902 C903 C1002 C1003 = CAP_NP: signal model: DEFAULT_CAPACITOR_100000pF_2_1
C107-C109 C119 C120 C142 C210 C212 C214 C217 C218 C702 C703 C707 C708 C1001 = CAP_NP: signal model: DEFAULT_CAPACITOR_2.2e+07pF_2_1
C114 C141 C401 C405 C501 C502 C505 C901 C905 = CAP_NP: signal model: DEFAULT_CAPACITOR_1e+06pF_2_1
C118 C122 C315 C316 C330 C333 C517 = CAP_NP: signal model: DEFAULT_CAPACITOR_1000pF_2_1
C157 = CAP_NP: signal model: DEFAULT_CAPACITOR_1e+08pF_2_1
C159 = CAP_NP: signal model: DEFAULT_CAPACITOR_10000pF_2_1
C160 = CAP_NP: signal model: DEFAULT_CAPACITOR_220.000000pF_2_1
C161 C339 C340 C342-C344 C909-C918 C920 C1004 = CAP_NP
C201 C202 C205 C207 C603 C605 C608 = CAP_NP: tolerance: 10%; signal model: DEFAULT_CAPACITOR_1e+06pF_2_1
C203 C204 C206 C208 C303 C323 C604 C606 C607 C609 C611 = CAP_NP: tolerance: 10%; signal model: DEFAULT_CAPACITOR_10000pF_2_1
C301 C321 C506 C508 C623 C812 C815 = CAP_NP: signal model: DEFAULT_CAPACITOR_1e+07pF_2_1
C304 C305 = CAP_POL: signal model: DEFAULT_CAPACITOR_1e+08pF_2_1
C311 C327 = MOT_CAP: signal model: DEFAULT_CAPACITOR_4.7e+07pF_2_1
C314 C317 C319 C331 C334 C335 C402 C403 C801 C811 C813 C814 C906 = CAP_NP: signal model: DEFAULT_CAPACITOR_4.7e+06pF_2_1
C318 C332 C404 = CAP_NP: signal model: DEFAULT_CAPACITOR_2.2e+06pF_2_1
C341 = CAP_NP: room: ATLAS-AP
C406 C407 = CAP_NP: signal model: DEFAULT_CAPACITOR_2700pF_2_1
C514-C516 = CAP_NP: signal model: DEFAULT_CAPACITOR_470.000000pF_2_1; room: RGMII_PHY
C518 C519 = CAP_NP: signal model: DEFAULT_CAPACITOR_22.000000pF_2_1; room: RGMII_PHY
C613 C614 = CAP_NP: signal model: DEFAULT_CAPACITOR_18.000000pF_2_1; room: ATLAS-AP
C617 C618 = CAP_NP: signal model: DEFAULT_CAPACITOR_39.000000pF_2_1
C624 C625 = CAP_POL: signal model: DEFAULT_CAPACITOR_2.2e+08pF_2_1
C907 C908 = CAP_NP: tolerance: 5%; room: RGMII_PHY
D101 = ZDIODE
D301 D303 D702-D707 D1001 D1002 = DIODE_TVS
D308-D313 D601-D603 D709 D907-D910 = DIODE_SCHTKY
D708 D902 D903 D905 D906 = LED
F301 F302 = FUSE
J101 = CONN_HDR_2X1
J201 J202 = HDR_2X50_M
J203 = CONN_HDR_10X2
J301 J302 = USB24_TYPEC_SH4
J401 = CON_KJ366EYS_AUDIOJACK_6P
J501 = RJ45_HR851178C
J601 = CON_67_FEMALE_RA_A
J701 = CONN_MICRO_SDCARD_9P
J801 J802 = CONN_IPASS_36P
J901 = MICRO_USB_CONN_11PIN
J902 = CONN_HDR_5X2: User Part Number: 210-07961-00
J1001 = CON_1X60
J1003 = CONN_HDR_20X2
J1004 = CONN_HDR_4X2
